# KiCad board 4x_Mini_Controller.kicad_pcb
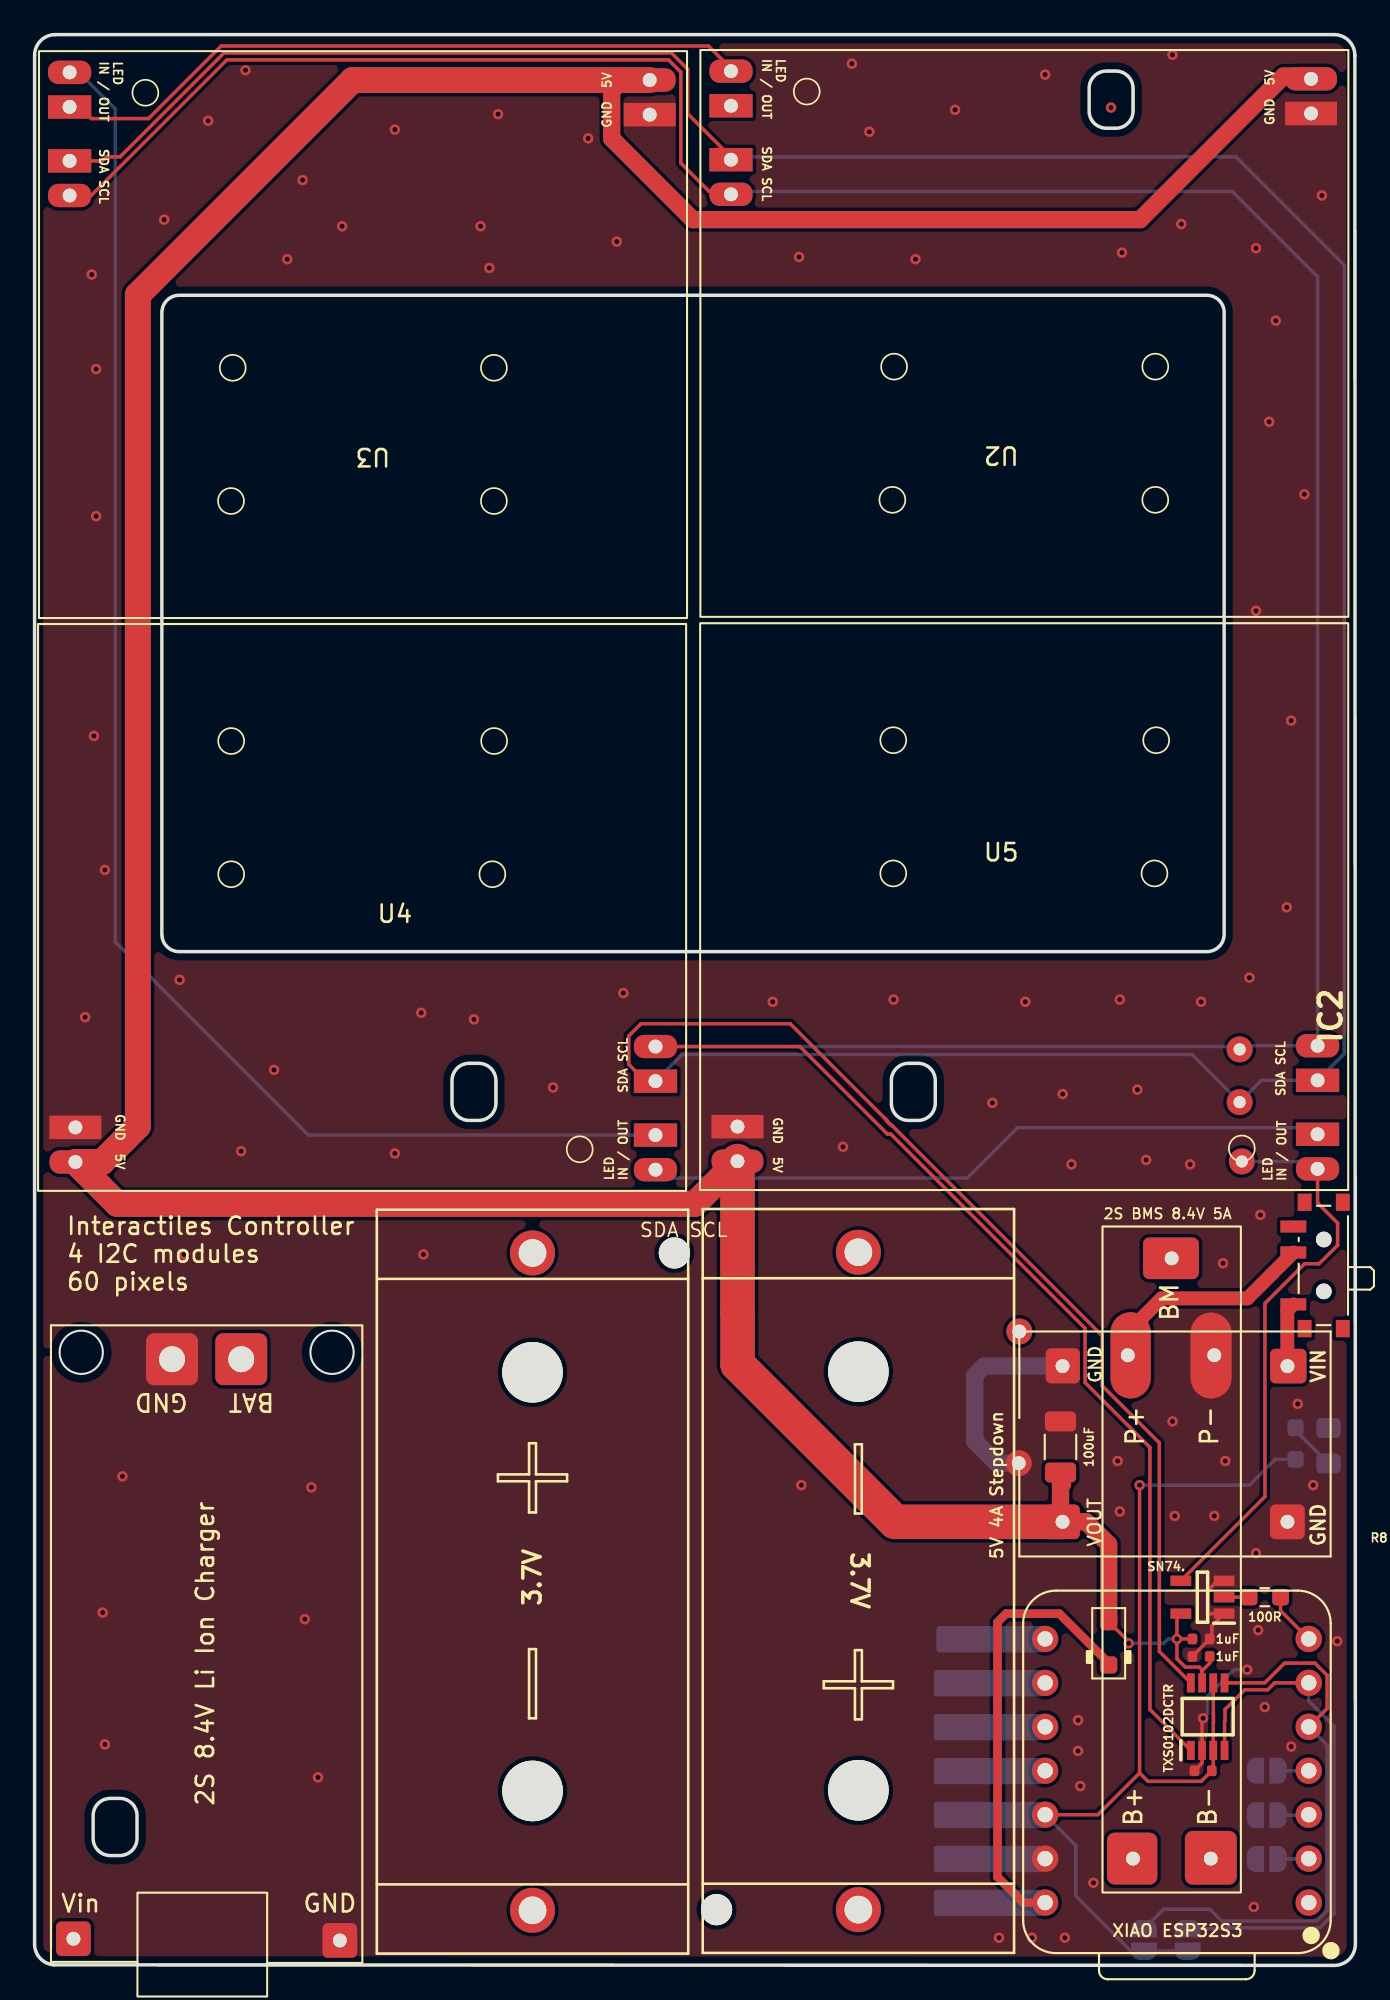
[diagram p0: board, top side]
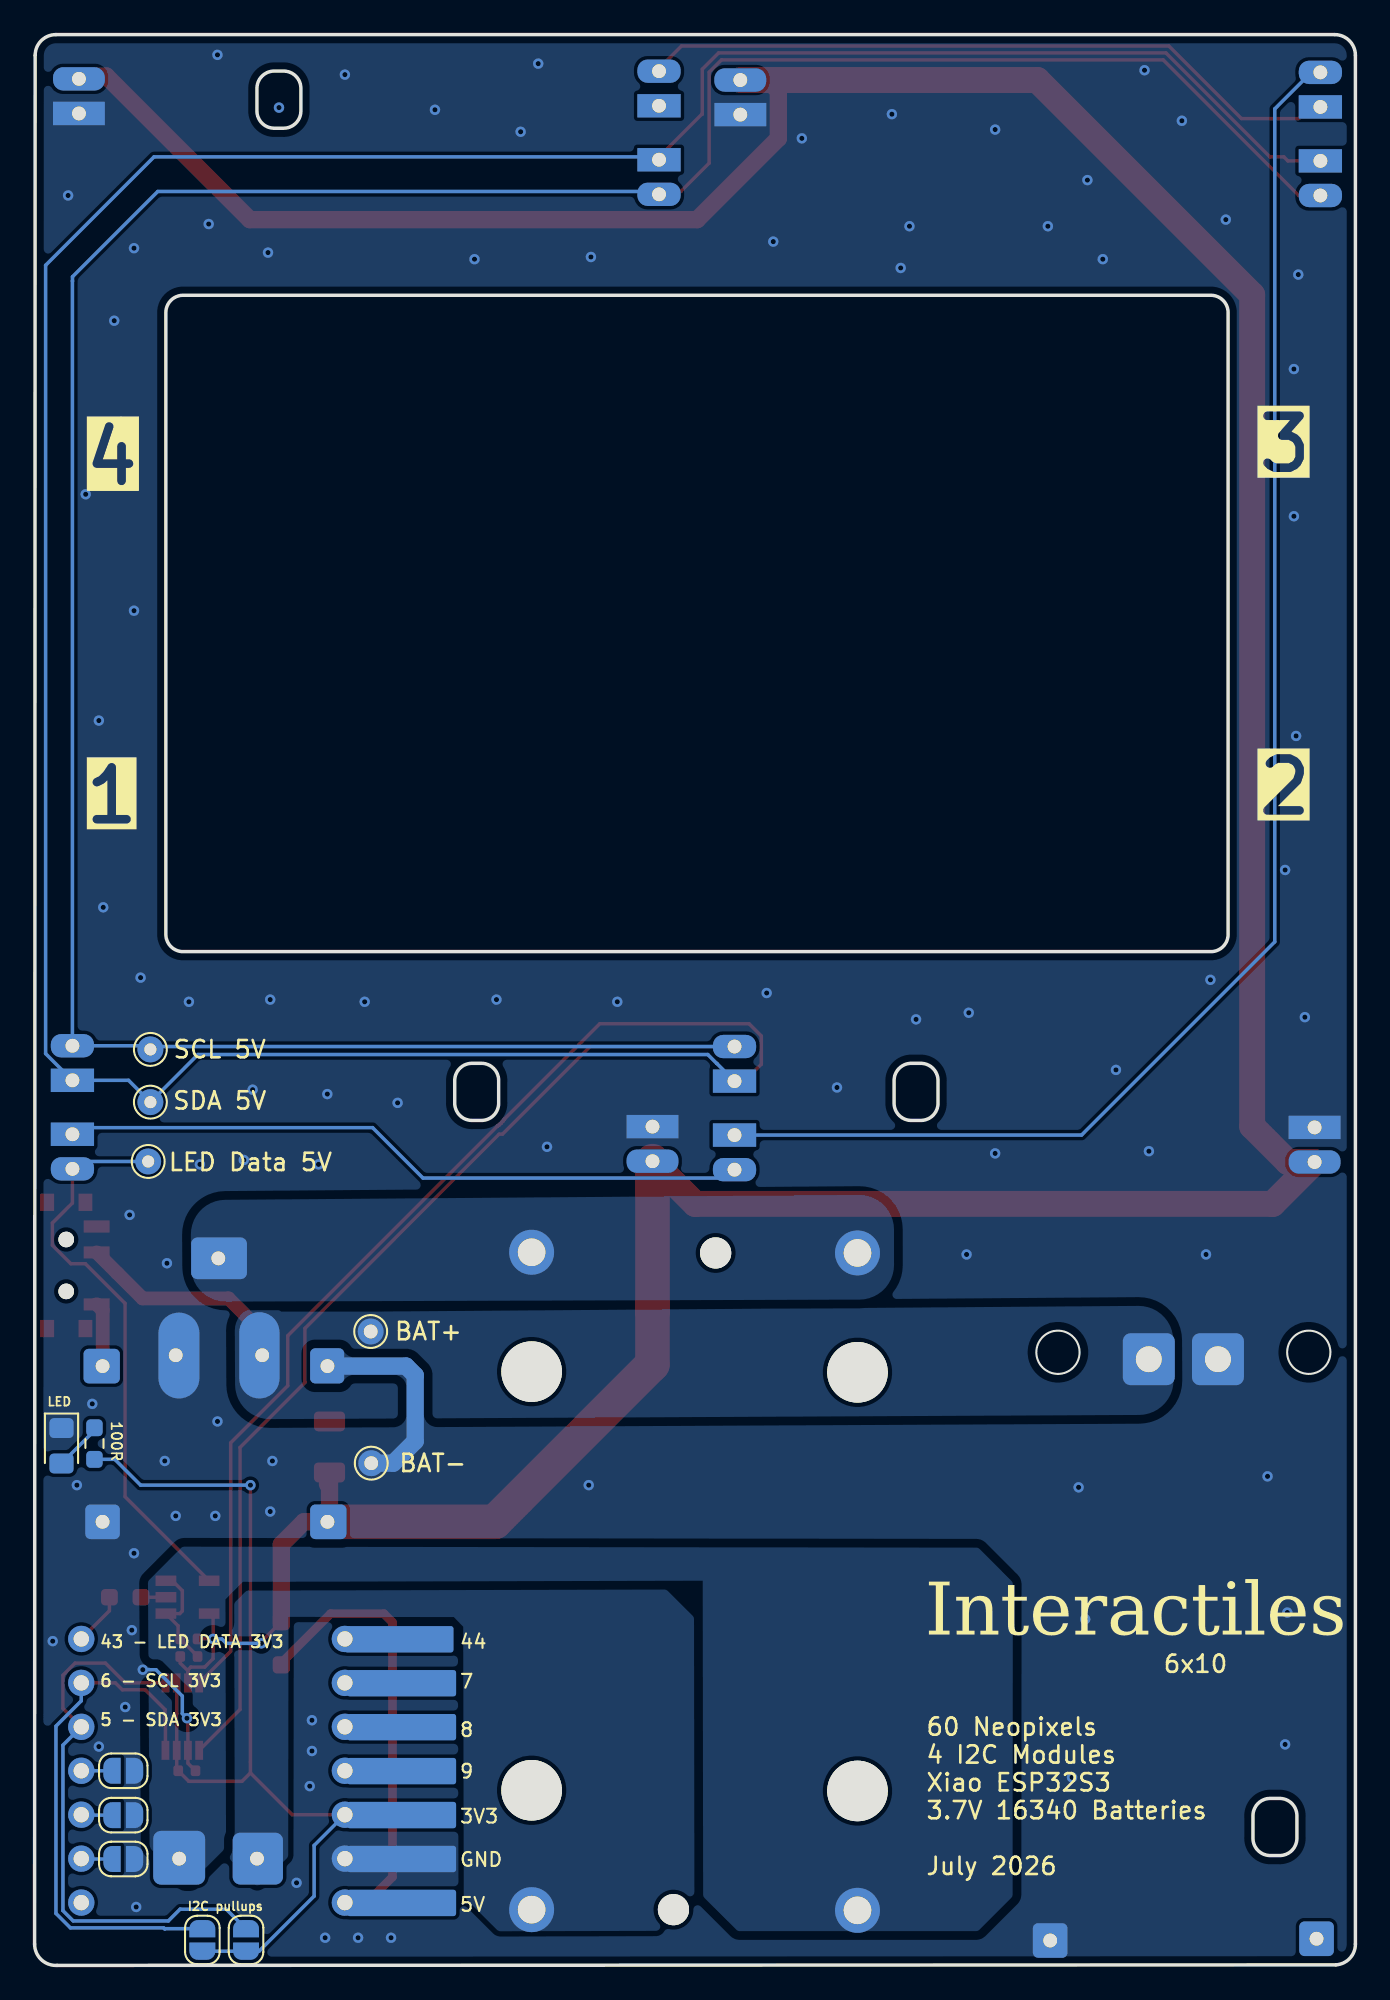
[diagram p1: board, bottom side, seen from below]

Outline 76.36 x 111.61 mm; copper layers: Top, Bottom. Coordinates in mm from the lower left corner of the outline.
Outline path: 4.38,6.35 3.68,6.64 3.38,7.35 3.38,8.65 3.68,9.36 4.38,9.65 4.92,9.65 5.63,9.36 5.92,8.65 5.92,7.35 5.63,6.64 4.92,6.35 closed ; 25.13,48.84 24.42,49.14 24.13,49.84 24.13,51.14 24.42,51.85 25.13,52.14 25.67,52.14 26.38,51.85 26.67,51.14 26.67,49.84 26.38,49.14 25.67,48.84 closed ; 50.53,48.84 49.82,49.14 49.53,49.84 49.53,51.14 49.82,51.85 50.53,52.14 51.07,52.14 51.78,51.85 52.07,51.14 52.07,49.84 51.78,49.14 51.07,48.84 closed ; 61.96,106.2 61.26,106.49 60.96,107.2 60.96,108.5 61.26,109.21 61.96,109.5 62.5,109.5 63.21,109.21 63.5,108.5 63.5,107.2 63.21,106.49 62.5,106.2 closed ; rectangle 7.36,96.54 68.77,58.6 ; 0,110.41 arc(0.35,111.26) 1.2,111.61 75.13,111.61 arc(75.98,111.26) 76.33,110.41 76.36,1.23 arc(75.97,0.33) 75.06,0 1.13,0.03 arc(0.33,0.41) 0,1.23 0,110.41

## Placement (name value [footprint] x y rotation side)
BT2  Battery_Cell  [BHC-CR123A]  28.79 22.18 270 top
BT3  Battery_Cell  [BHC-CR123A]  47.62 22.22 90 top
C2  1uF  [C_0402]  67.44 17.85 180 top
C3  100uF  [C_1206_3216Metric]  59.31 29.97 90 top
C4  1uF  [C_0402]  67.56 11.25 180 top
C7  1uF  [C_0402]  67.44 18.87 0 top
D1  LED  [LED_0805_2012Metric_Pad1.15x1.40mm_HandSolder]  74.8 30.04 270 bottom
D6  1N5817M  [D_SOD-323_BigPads]  62.09 18.62 90 top
IC2  -  [TXS0102DCTR]  67.82 14.38 90 top
IC3  SN74.  [SN74AHCT1G125DBVR]  67.52 21.28 180 top
JP1  SolderJumper_2_Open  [SolderJumper-2_P1.3mm_Open_RoundedPad1.0x1.5mm]  71.23 6.15 180 bottom
JP2  SolderJumper_2_Open  [SolderJumper-2_P1.3mm_Open_RoundedPad1.0x1.5mm]  71.23 8.68 180 bottom
JP5  SolderJumper_2_Open  [SolderJumper-2_P1.3mm_Open_RoundedPad1.0x1.5mm]  71.23 11.25 180 bottom
JP6  SolderJumper_2_Open  [SolderJumper-2_P1.3mm_Open_RoundedPad1.0x1.5mm]  64.14 1.47 270 bottom
JP7  SolderJumper_2_Open  [SolderJumper-2_P1.3mm_Open_RoundedPad1.0x1.5mm]  66.66 1.47 90 bottom
R3  100R  [R_0603_1608Metric_Pad0.98x0.95mm_HandSolder]  72.9 30.16 270 bottom
R8  100R  [R_0603_1608Metric_Pad0.98x0.95mm_HandSolder]  71.12 21.28 180 top
SW4  Slide_Switch_SPDT  [SW_SPDT_PCM12]  74.2 40.46 90 top
TP3  SCL 5V  [TestPoint_THTPad_D1.5mm_Drill0.7mm]  69.66 52.95 90 bottom
TP4  SDA 5V  [TestPoint_THTPad_D1.5mm_Drill0.7mm]  69.66 49.9 90 bottom
TP5  LED Data 5V  [TestPoint_THTPad_D1.5mm_Drill0.7mm]  69.79 46.47 0 bottom
TP9  BAT+  [TestPoint_THTPad_D1.5mm_Drill0.7mm#2]  56.93 36.64 0 bottom
TP10  BAT-  [TestPoint_THTPad_D1.5mm_Drill0.7mm#2]  56.9 29.03 0 bottom
U2  ~  [Mini_Module]  57.79 99.42 180 top
U3  ~  [Mini_Module]  19.56 99.35 180 top
U4  ~  [Mini_Module]  18.36 56.08 0 top
U5  ~  [Mini_Module]  56.64 56.12 0 top
U6  XIAO-ESP32-S3-SMD  [XIAO-ESP32-S3-DIP]  66.04 11.25 270 top
U7  8.4V 2S Charger  [2S_Li_Ion_Charger]  0.95 0.14 90 top
U8  8.4V 2S BMS  [8.4V_2S_BMS]  61.7 4.27 90 top
U9  5V 4A Stepdown  [CEDAR_5V_4A_Buck_Converter]  56.93 23.64 90 top

## Library data of the parts
BT2 BT3 = -: Description: Single-cell battery; Sim.Device: V; Sim.Type: DC; Sim.Pins: 1=+ 2=-
C2 C4 C7 = -: Datasheet: https://www.lcsc.com/datasheet/lcsc_datasheet_2304140030_Samsung-Electro-Mechanics-CL05A105KA5NQNC_C52923.pdf; Description: 25V 1uF X5R ±10% 0402 Multilayer Ceramic Capacitors MLCC - SMD/SMT ROHS; LCSC: C52923; Stock: 7021828; Price: 0.006USD; Process: SMT; Minimum Qty: 20; Attrition Qty: 10; Class: Basic Component; Category: Capacitors,Multilayer Ceramic Capacitors MLCC - SMD/SMT; Manufacturer: Samsung Electro-Mechanics; Part: CL05A105KA5NQNC; Voltage Rated: 25V; Tolerance: ±10%; Temperature Coefficient: X5R; ki_fp_filters: C_*
C3 = -: Datasheet: https://mm.digikey.com/Volume0/opasdata/d220001/medias/docus/7134/c02e.pdf; Description: Unpolarized capacitor; PROD_ID: CAP-24990; Voltage: 10V; Tolerance: 20%; ki_fp_filters: C_*
D1 = -: Description: Common 5mm diameter LED; ki_fp_filters: LED_D5.0mm_Clear LED_D5.0mm_Horizontal_O1.27mm_Z3.0mm LED_D5.0mm_Horizontal_O3.81mm_Z3.0mm LED_D5.0mm_Horizontal_O6.35mm_Z3.0mm
D6 = -: Datasheet: https://media.digikey.com/pdf/Data%20Sheets/Diodes%20PDFs/1N5817M,5818M,5819M.pdf; Description: MELF Schottky diode, 20V, 1A, Alternate KiCAD Library; ki_fp_filters: TO-???* *_Diode_* *SingleDiode* D_*
IC2 = -: Description: 2-Bit Bidirectional Voltage-Level Shifter for Open-Drain and Push-Pull Application; Height: 1.3; Manufacturer_Name: Texas Instruments; Mouser Part Number: 595-TXS0102DCTR; Mouser Price/Stock: https://www.mouser.co.uk/ProductDetail/Texas-Instruments/TXS0102DCTR?qs=BWabSxB1G9cell1mrpKPvA%3D%3D; Arrow Price/Stock: https://www.arrow.com/en/products/txs0102dctr/texas-instruments?utm_currency=USD&region=nac
IC3 = -: Datasheet: http://www.ti.com/lit/ds/symlink/sn74ahct1g125.pdf; Description: 74AHCT Single Tri-state Bus Buffer SOT23 SN74AHCT1G125DBVR, Bus Buffer, HCT, 8.5 ns@ 50 pF, 8mA 4.5 ??? 5.5 V 5-Pin SOT-23; Height: 1.45; Manufacturer_Name: Texas Instruments; Manufacturer_Part_Number: SN74AHCT1G125DBVR; Mouser Part Number: 595-SNAHCT1G125DBVR; Mouser Price/Stock: https://www.mouser.co.uk/ProductDetail/Texas-Instruments/SN74AHCT1G125DBVR?qs=N6WZOzgtpqVaVW8Lh%252BgevA%3D%3D; Arrow Part Number: SN74AHCT1G125DBVR; Arrow Price/Stock: https://www.arrow.com/en/products/sn74ahct1g125dbvr/texas-instruments?utm_currency=USD&region=nac
JP1 JP2 JP5-JP7 = -: Description: Solder Jumper, 2-pole, open; ki_fp_filters: SolderJumper*Open*
R3 R8 = -: Description: 330Ω, 1/4W Resistor; ki_fp_filters: Resistor_THT:R_Axial_DIN0207_L6.3mm_D2.5mm*
SW4 = -: Description: SPDT Slide Switch with 10mm length, 5mm width and 10mm hight.
TP3-TP5 TP9 TP10 = -: Description: test point; ki_fp_filters: Pin* Test*

## Footprints (pads in the part's own frame, mm; a bottom-side part is the same pattern mirrored in y, then rotated)
2S_Li_Ion_Charger
  rrect 2x2 hole 0.8: 1(1.4,-1.3) 2(1.3,-16.7)
  rrect 3x3 hole 1.5: 2(34.9,-7) 3(34.9,-11)
8.4V_2S_BMS
  rrect 4.988x2.326 hole 0.8: 1(31,-1.5)
  rrect 4.965x2.372 hole 0.8: 2(31,-6.5)
  rrect 2.995x2.905 hole 0.8: 3(1.9,-1.8)
  rrect 2.407x3.226 hole 0.8: 4(36.6,-4.038)
  rrect 3.106x3 hole 0.8: 5(1.9,-6.3)
BHC-CR123A
  round 1.8 hole 1.8 unplated: (-19,8.2)
  round 3.5 hole 3.5 unplated: (-12.1,0) (12.1,0)
  round 2.6 hole 1.6: 1(-19,0) 2(19,0)
C_0402
  rrect 0.56x0.62 smd: 1(-0.5,0) 2(0.5,0)
C_1206_3216Metric
  rrect 1.15x1.8 smd: 1(-1.475,0) 2(1.475,0)
CEDAR_5V_4A_Buck_Converter
  rrect 2x2.1 hole 0.8: 1(11,-15.5) 2(2,-2.5)
  rrect 2x2 hole 0.8: 3(2,-15.5)
  rrect 2.03x1.969 hole 0.8: 3(11,-2.5)
D_SOD-323_BigPads
  rrect 1x1 smd: 1(-1.25,0) 2(1.25,0)
LED_0805_2012Metric_Pad1.15x1.40mm_HandSolder
  rrect 1.15x1.4 smd: 1(-1.025,0) 2(1.025,0)
Mini_Module
  rrect 3x1.35 hole 0.8: 5V(-16.002,-9.636)
  rect 3x1.35 hole 0.8: GND(-16.002,-7.636)
  rrect 2.5x1.35 hole 0.8: IN(17.534,-10.079) SCL(17.534,-2.962)
  rect 2.5x1.35 hole 0.8: OUT(17.534,-8.079) SDA(17.534,-4.962)
R_0603_1608Metric_Pad0.98x0.95mm_HandSolder
  rrect 0.975x0.95 smd: 1(-0.912,0) 2(0.912,0)
SN74AHCT1G125DBVR
  rect 1.2x0.6 smd: 1(-1.25,0.95) 2(-1.25,0) 3(-1.25,-0.95) 4(1.25,-0.95) 5(1.25,0.95)
SolderJumper-2_P1.3mm_Open_RoundedPad1.0x1.5mm
  custom 1x1.5 smd: 1(-0.65,0) 2(0.65,0)
SW_SPDT_PCM12
  rect 1x0.8 smd: (-3.65,0.78) (-3.65,-1.43) (3.65,0.78) (3.65,-1.43)
  round 0.9 hole 0.9 unplated: (-1.5,-0.33) (1.5,-0.33)
  rect 0.7x1.5 smd: 1(-2.25,1.43) 2(0.75,1.43) 3(2.25,1.43)
TestPoint_THTPad_D1.5mm_Drill0.7mm
  round 1.5 hole 0.7: 1(0,0)
TestPoint_THTPad_D1.5mm_Drill0.7mm#2
  round 1.5 hole 0.8: 1(0,0)
TXS0102DCTR
  rect 1.1x0.45 smd: 1(-1.95,0.975) 2(-1.95,0.325) 3(-1.95,-0.325) 4(-1.95,-0.975) 5(1.95,-0.975) 6(1.95,-0.325) 7(1.95,0.325) 8(1.95,0.975)
XIAO-ESP32-S3-DIP
  round 1.524 hole 0.889: 1(7.62,7.62) 2(5.08,7.62) 3(2.54,7.62) 4(0,7.62) 5(-2.54,7.62) 6(-5.08,7.62) 7(-7.62,7.62) 8(-7.62,-7.62) 9(-5.08,-7.62) 10(-2.54,-7.62) 11(0,-7.62) 12(2.54,-7.62) 13(5.08,-7.62) 14(7.62,-7.62)
  rrect 1.524x6.3 smd far side: 8(-7.6,-10.75) 9(-5.06,-10.9) 10(-2.52,-10.9) 11(0.02,-10.9) 12(2.56,-10.9) 13(5.1,-10.9) 14(7.64,-10.9)

## Nets
+3V3: C4.1 IC2.3 IC2.6 JP6.2 JP7.1 R3.2 U6.12
+5V: C2.1 C3.1 C7.1 D6.2 IC2.7 IC3.5 U2.5V U3.5V U4.5V U5.5V U9.2
/5V to ESP32: D6.1 U6.14
/8.4V: SW4.2 TP9.1 U7.3 U8.1
GND: C2.2 C3.2 C4.2 C7.2 D1.1 IC2.2 IC3.1 IC3.3 JP1.2 JP2.2 JP5.2 TP10.1 U2.GND U3.GND U4.GND U5.GND U6.13 U7.2 U8.2 U9.3
/B+: BT3.1 U8.3
/B-: BT2.2 U8.5
/BM: BT2.1 BT3.2 U8.4
DATA_3v3: R8.1 U6.7
DATA_5v: IC3.4 TP5.1 U5.IN
DIP_1: JP1.1 U6.2
DIP_2: JP2.1 U6.3
DIP_3: JP5.1 U6.4
SCL_3v3: IC2.4 JP7.2 U6.6
SCL_5v: IC2.1 TP3.1 U2.SCL U3.SCL U4.SCL U5.SCL
SDA_3v3: IC2.5 JP6.1 U6.5
SDA_5v: IC2.8 TP4.1 U2.SDA U3.SDA U4.SDA U5.SDA
Net-(D1-Pad2): D1.2 R3.1
Net-(IC3-A): IC3.2 R8.2
Net-(U2-PadIN): U2.IN U3.OUT
Net-(U3-PadIN): U3.IN U4.OUT
Net-(U4-PadIN): U4.IN U5.OUT
Net-(U9-Vi): SW4.1 U9.1

Pads without a net: SW4 3; U2 OUT; U6 1 8 9 10 11; U7 1

## Via types
v1: diameter 0.6, hole 0.3, Top to Bottom, 94 vias

## Routing (per net, layer and track width the routed paths; a pad name or vN(x,y) marks a point on that pad's centre or on a via; arc(x,y) is an arc through that point)
+3V3: length 55.7
  Top w0.2: IC2.6 68.14,14.54 68.15,14.53 68.15,14.04 68.14,14.03 IC2.3 68.14,11.34 C4.1 67.45,10.64 64.36,10.64 63.88,11.12 ; 63.88,11.12 v1(63.88,27.76) ; 63.88,11.12 61.47,8.71 U6.12
  Bottom w0.2: v1(63.88,27.76) 70.23,27.76 71.72,29.25 R3.2 ; U6.12 60.2,6.93 60.2,4 63.38,0.82 JP6.2 JP7.1
+5V: length 237.3
  Top w0.2: v1(63.25,18.62) 63.25,18.72 D6.2 62.09,21.02 ; v1(66.04,18.87) 66.04,20.11 IC3.5 ; v1(66.04,18.87) 66.04,17.73 66.52,17.24 67.33,17.24 67.49,17.08 IC2.7 67.49,17.03 67.94,17.47 C2.1 ; v1(66.04,18.87) 67.06,18.87
  Top w1: 59.31,27.94 59.31,25.76 U9.2 60.79,25.64 62.09,24.34 D6.2 ; 59.31,27.94 C3.1 ; 59.31,27.94 59.43,27.82 ; 73.79,109.21 72.21,109.21 63.91,100.91 38.06,100.91 33.36,105.61 33.36,108.36 33.99,108.98 U3.5V
  Top w1.5: U3.5V 18.39,108.98 5.97,96.56 5.97,48.51 3.9,46.44 U4.5V 4.78,44.02 38.17,44.02 U5.5V
  Top w2: U9.2 49.74,25.64 40.64,34.75 40.64,37.77 40.64,37.78 U5.5V
  Bottom w0.2: v1(63.25,18.62) 65.28,18.62 65.53,18.87 v1(66.04,18.87)
/5V to ESP32: length 25.1
  Top w0.5: 62.09,17.48 59.24,20.33 56.16,20.33 55.67,19.84 55.67,5.11 57.15,3.63 57.58,3.63
/8.4V: length 12.8
  Top w0.8: U8.1 63.2,36.6 65.15,38.56 70.12,38.56 SW4.2
GND: length 27.3
  Top w0.2: 66.94,17.87 C7.2 ; 68.06,18.87 68.06,19.63 IC3.1 67.97,20.33 67.82,20.48 67.82,21.66 68.39,22.23 IC3.3 ; v1(67.55,14.29) 67.49,14.23 IC2.2 67.49,11.69 C4.2
  Bottom w0.2: v1(67.55,14.29) 67.82,14.55 67.82,15.57 69.34,17.09 v1(70.1,17.09) ; U8.2 67.17,35.27
  Bottom w1: TP10.1 55.63,29.03 54.36,30.3 54.36,34.11 54.89,34.64 U9.3
  vias: v1(2.92,54.81) v1(3.3,97.74) v1(3.43,71.07) v1(3.56,92.28) v1(3.56,83.77) v1(3.94,20.39) v1(4.06,63.32) v1(4.06,12.77) v1(5.08,28.27) v1(7.49,100.91) v1(8.38,56.97) v1(8.64,41.1) v1(10.03,106.63) v1(11.94,47.06) v1(12.19,109.55) v1(13.84,51.76) v1(14.61,98.63) v1(15.49,103.2) v1(15.62,20.01) v1(16,27.63) v1(16.38,10.87) v1(17.78,100.53) v1(20.83,106.12) v1(20.83,46.94) v1(22.35,55.07) v1(22.48,41.1) v1(25.4,54.68) v1(25.78,100.53) v1(26.29,98.12) v1(26.8,107.01) v1(29.97,50.75) v1(32,105.61) v1(33.66,99.64) v1(34.04,56.21) v1(42.67,55.7) v1(44.2,98.75) v1(44.32,27.76) v1(46.74,47.32) v1(47.24,109.93) v1(48.26,105.99) v1(49.66,55.83) v1(50.93,98.63) v1(53.21,107.26) v1(55.37,49.86) v1(55.75,1.6) v1(57.28,55.7) v1(57.66,1.6) v1(58.42,109.29) v1(59.44,50.37) v1(59.56,1.6) v1(59.94,46.3) v1(60.33,14.17) v1(60.33,12.39) v1(60.45,10.36) v1(61.21,4.77) v1(62.23,107.39) v1(62.61,29.16) v1(62.74,55.83) v1(62.74,26.24) v1(62.86,99.01) v1(63.75,50.62) v1(64.26,46.56) v1(65.79,110.44) v1(65.79,31.44) v1(65.91,25.98) v1(66.29,100.66) v1(66.8,46.3) v1(67.44,55.7) v1(68.2,25.98) v1(68.71,40.59) v1(68.83,29.16) v1(70.23,57.1) v1(70.48,3.38) v1(70.61,99.26) v1(70.61,78.31) v1(70.61,23.82) v1(70.74,19.38) v1(70.87,43.38) v1(71.12,14.93) v1(71.37,89.23) v1(71.76,95.07) v1(72.39,61.16) v1(72.64,71.96) v1(72.64,12.65) v1(73.02,32.46) v1(73.41,85.04) v1(73.91,27.76) v1(74.42,102.31) v1(75.31,18.74)
DATA_3v3: length 3.1
  Top w0.2: U6.7 72.03,20.5 R8.1
DATA_5v: length 33.1
  Top w0.2: IC3.4 71.13,27.1 71.13,38.27 73.42,40.56 74.26,40.56 75.33,41.63 75.33,42.91 74.17,44.07 U5.IN
  Bottom w0.2: U5.IN 73.74,46.47 TP5.1
DIP_1: length 1.8
  Bottom w0.2: U6.2 73.64,6.15 JP1.1
DIP_2: length 1.8
  Bottom w0.2: U6.3 73.63,8.68 JP2.1
DIP_3: length 1.8
  Bottom w0.2: 71.88,11.25 U6.4
SCL_3v3: length 30.6
  Top w0.2: IC2.4 68.79,14.11 68.82,14.14 68.82,14.79 69.96,15.93 71.29,15.93 71.69,16.33 U6.6
  Bottom w0.2: U6.6 73.66,15.29 75.12,13.83 75.12,3 74.29,2.17 68.9,2.17 68.83,2.11 68.82,2.12 JP7.2
SCL_5v: length 225.4
  Top w0.2: 40.25,102.54 39,102.54 37.36,104.18 37.36,109.44 36.65,110.15 11.11,110.15 3.27,102.31 U3.SCL ; U4.SCL 44.24,53.11 49.3,48.05 49.5,48.05 60.73,36.82 60.73,33.69 64.48,29.94 64.48,14.79 IC2.1
  Bottom w0.2: 40.25,102.54 69.24,102.54 74.17,97.61 74.17,97.36 74.17,97.36 U5.SCL 69.88,53.16 TP3.1 69.5,53.11 U4.SCL ; 2.26,102.54 U3.SCL
SDA_3v3: length 32.8
  Top w0.2: IC2.5 71.12,16.33 72.26,17.47 74.02,17.47 74.72,16.77 74.72,14.85 U6.5
  Bottom w0.2: U6.5 74.72,12.73 74.72,3.17 74.12,2.57 68.63,2.57 67.95,3.25 65.28,3.25 64.15,2.12 JP6.1
SDA_5v: length 232.5
  Top w0.2: 40.25,104.54 37.78,107.01 37.76,107.01 37.76,109.6 36.82,110.55 10.95,110.55 4.94,104.54 4.14,104.54 3.9,104.31 U3.SDA ; U4.SDA 35.32,51.11 34.35,52.09 34.35,53.72 35.05,54.43 43.69,54.43 49.19,48.93 49.19,48.92 49.2,48.91 49.2,48.9 49.21,48.9 49.25,48.86 49.28,48.81 49.28,48.81 49.29,48.8 49.29,48.79 49.3,48.79 49.34,48.75 49.37,48.71 49.37,48.7 49.38,48.69 49.39,48.69 49.4,48.68 49.44,48.65 49.48,48.61 49.48,48.6 49.49,48.6 49.49,48.59 49.5,48.59 49.55,48.56 49.59,48.52 49.59,48.52 49.6,48.51 49.61,48.51 49.61,48.51 61.72,36.4 61.72,33.51 65.02,30.2 65.02,18.15 IC2.8
  Bottom w0.2: U4.SDA 36.92,52.14 36.93,52.14 37.44,52.65 66.91,52.65 TP4.1 70.93,51.16 U5.SDA 74.18,51.16 75.72,52.71 75.72,98.27 69.46,104.54 40.25,104.54 ; 2.26,104.54 U3.SDA
Net-(D1-Pad2): length 2.9
  Bottom w0.2: R3.1 72.9,30.92 D1.2
Net-(IC3-A): length 1.4
  Top w0.2: R8.2 IC3.2
Net-(U2-PadIN): length 40.8
  Top w0.2: 40.25,109.66 38.96,110.95 10.78,110.95 6.59,106.75 3.27,106.75 2.6,107.43 U3.OUT
Net-(U3-PadIN): length 87.5
  Bottom w0.2: U3.IN 2.55,109.43 4.66,107.31 4.66,59.16 15.83,48 U4.OUT
Net-(U4-PadIN): length 39.8
  Bottom w0.2: U4.IN 36.38,45.51 53.91,45.51 56.82,48.43 73.79,48.43 U5.OUT
Net-(U9-Vi): length 4.1
  Top w0.6: U9.1 72.75,34.64 72.77,34.62
  Top w0.8: U9.1 72.42,34.65 72.42,37.86 SW4.1

## Copper pours and planes (outline as drawn; the poured copper is in the pictures)
/8.4V on Bottom: 56.37,37.79 56.37,37.8 10.54,38.14 10.5,31.83 64.76,31.57 64.79,38.05 62.11,38.05 62.11,37.79
GND on Top, Bottom: -2.69,116.13 -5.33,39.7 -4.55,-5.09 79.76,-3.61 79.96,56.15 79.81,116.13
/B+ on Bottom: 61.7,4.47 65.29,4.57 65.36,22.03 62.23,22.05 38.19,22.09 38.16,2 51.54,1.97 51.58,19.58 52.12,20.13 61.68,20.15
/B- on Bottom: 64.32,22.17 65.32,21.16 65.29,4.81 69.7,4.8 69.82,24.21 19.8,24.15 19.82,1.98 37.71,1.98 37.73,22.24
/BM on Bottom: 26.68,44.55 26.67,38.49 67.3,38.37 67.34,44.24

## Text on the board
B.Silkscreen: I2C pullups | 43 - LED DATA 3V3 / 6 - SCL 3V3 / 5 - SDA 3V3 | 6x10 | 60 Neopixels / 4 I2C Modules / Xiao ESP32S3 / 3.7V 16340 Batteries / July 2026 | 3 | 2 | 4 | 1 | Interactiles
F.Silkscreen: LED / IN / OUT | SDA SCL | 1uF | GND  5V | XIAO ESP32S3 | Interactiles Controller / 4 I2C modules / 60 pixels
